# Altium PCB Forno.PcbDoc (part 2 of 2)
Units mm, origin at the board's own origin, x right, y up, seen from the top; angles counter-clockwise.
Board outline 100 x 99.75 mm, 2 copper layers (Top Layer, Bottom Layer); 291 components, 157 nets, 831 pads, 425 vias.
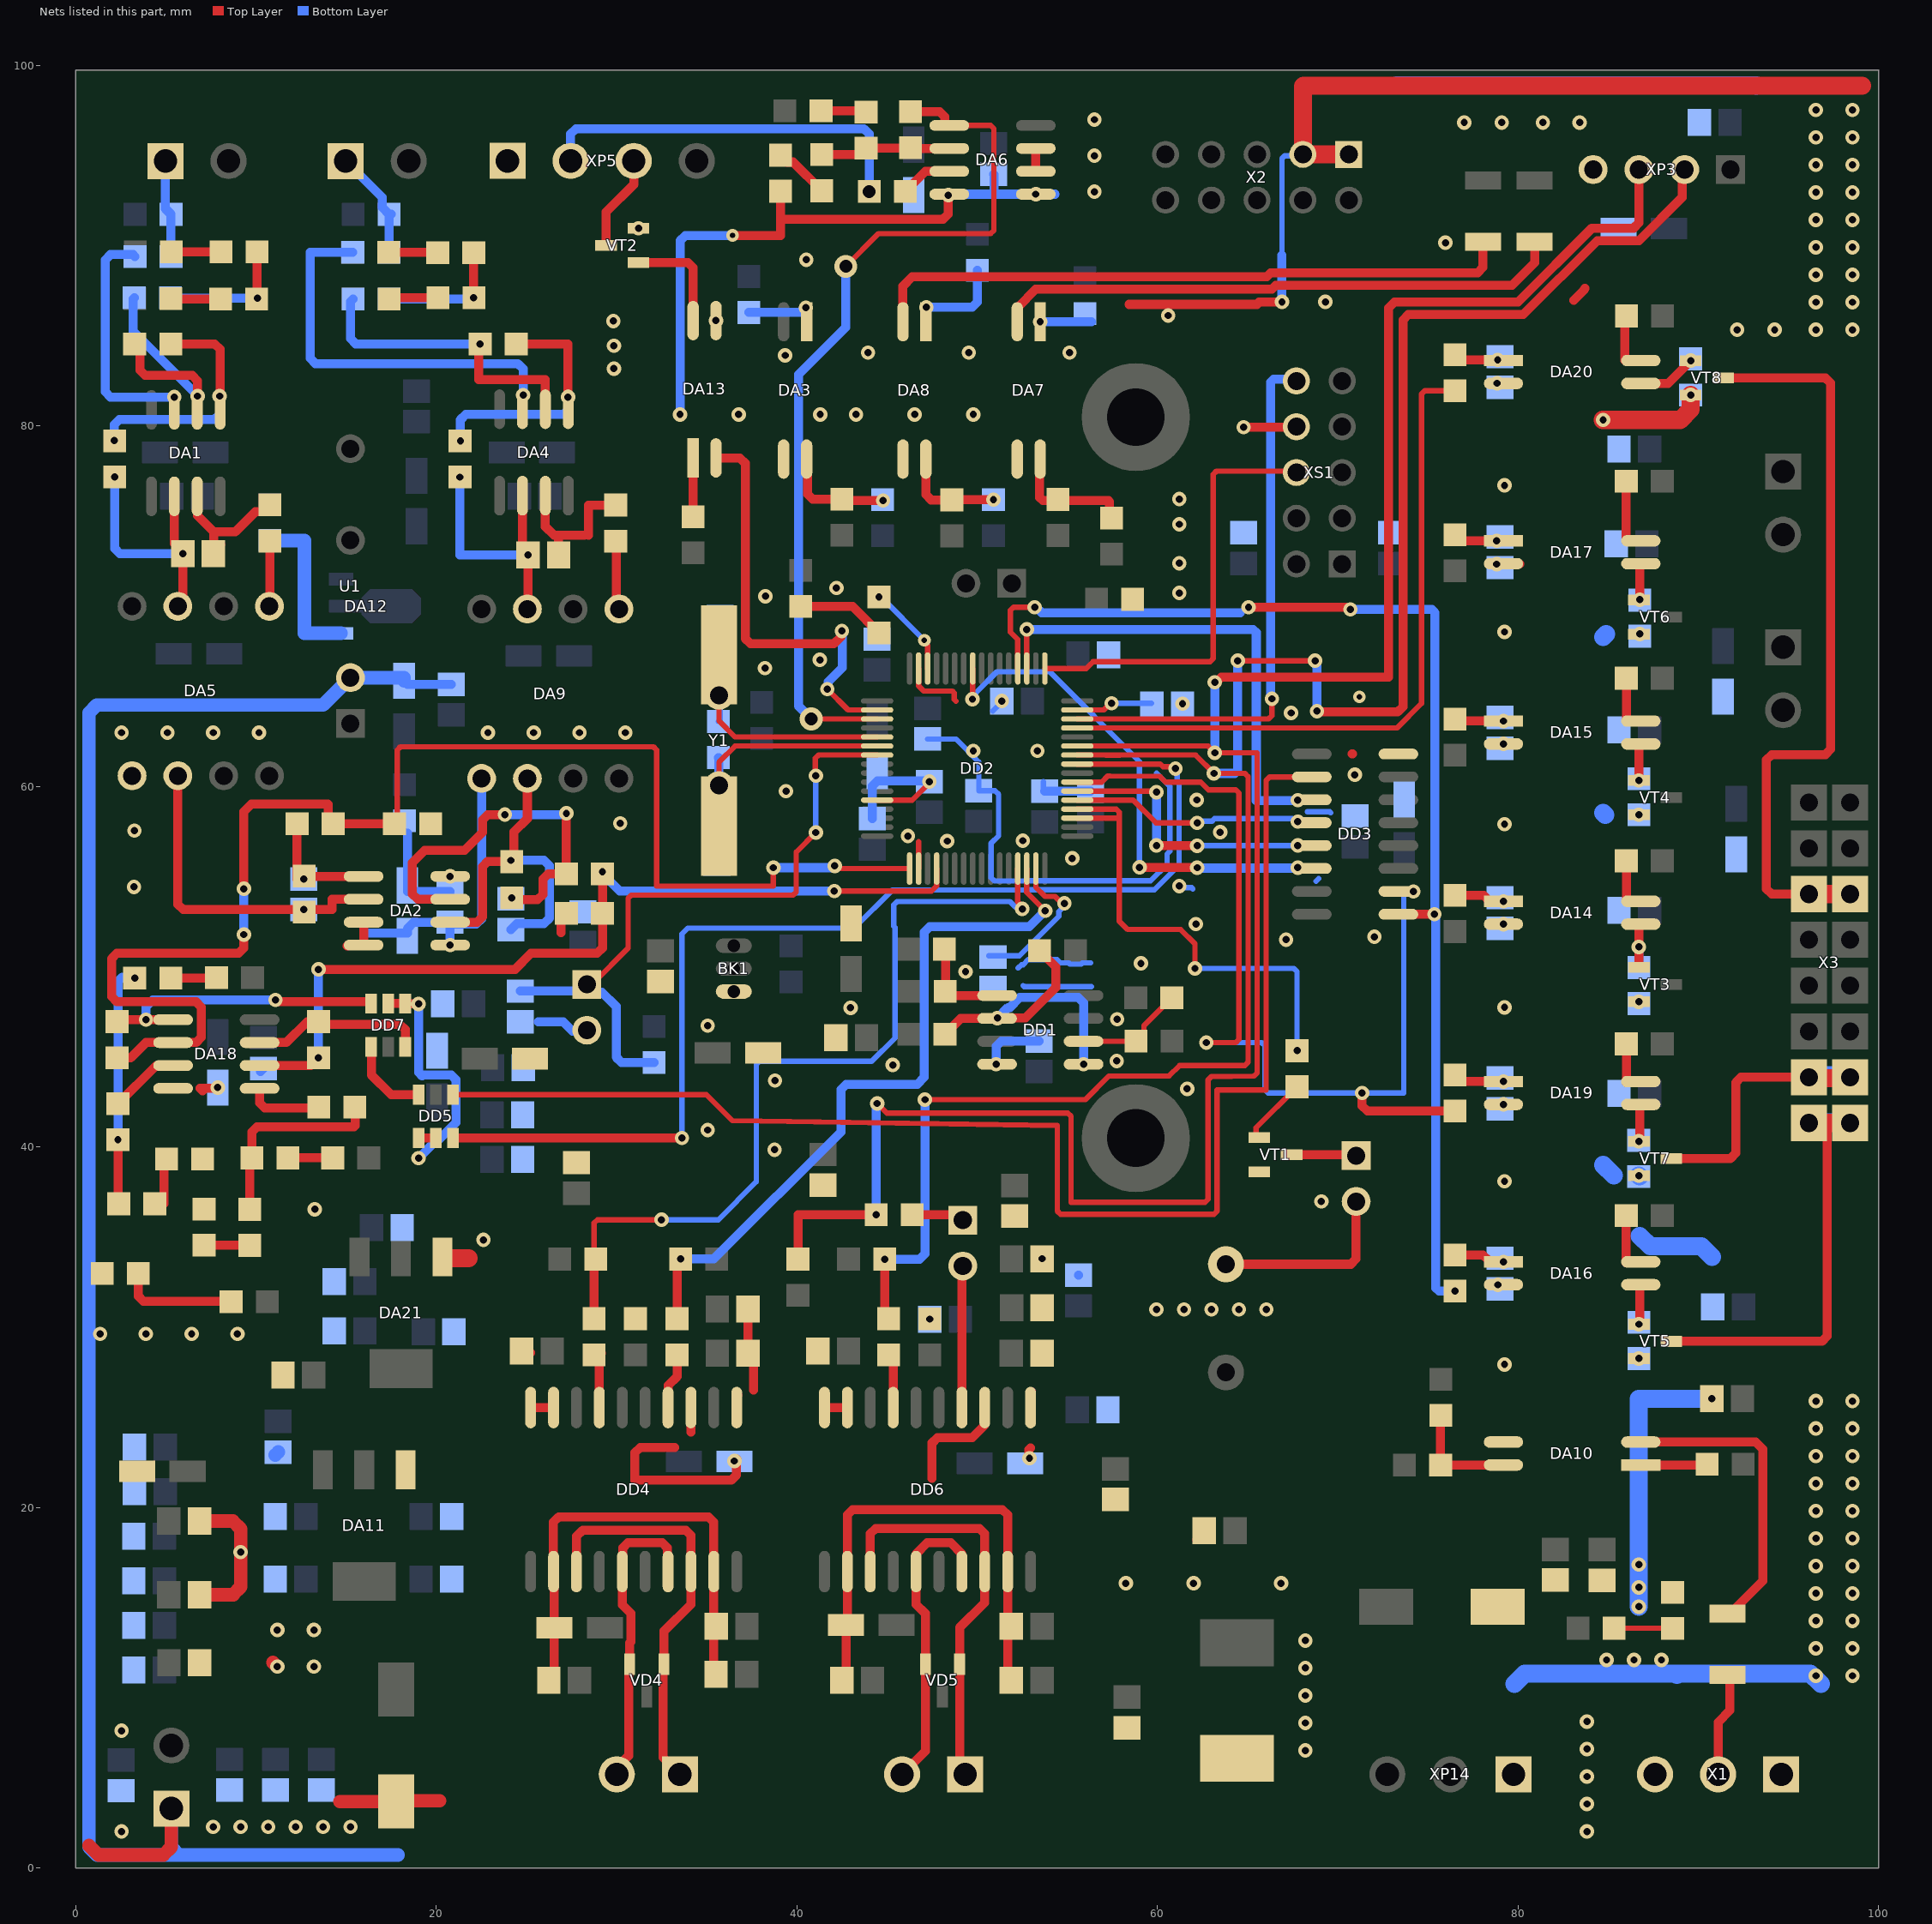
[diagram p2: the nets of this part, all layers, seen from the top]

## Via types
v1: diameter 0.8, hole 0.4, Top Layer to Bottom Layer, tented both sides, 419 vias
v2: diameter 1.27, hole 0.711, Top Layer to Bottom Layer, tented both sides, 3 vias
v3: diameter 0.7, hole 0.3, Top Layer to Bottom Layer, tented both sides, 3 vias

## Nets (pads, with @x,y where several pads share a name; then routed paths per layer and width w, separated by ;. In a path a pad name is that pad's centre, name@x,y a point inside that pad or via, vN(x,y) a via of type N, cw(c..) or ccw(c..) an arc to the next point about the centre after c; other vN are vias at no path point) (continued)
GND: BK1.1 C3.2 C5.2 C6.2 C7.2 C8.2 C11.2 C13.2 C14.2 C15.2 C16.2 C17.2 C18.1 C19.2 C20.2 C21.2 C22.2 C23.2 C24.1 C25.2 C26.1 C27.2 C32.2 C33.2 C36.1 C37.1 C38.1 C39.1 C40.1 C41.1 C42.1 C43.1 C44.1 C45.2 C46.2 C47.2 C48.2 C49.2 C50.2 C51.2 C52.2 C53.2 C54.2 C55.2 C56.2 C57.2 C58.2 C59.2 C60.2 C65.2 C66.2 C67.2 C68.2 C69.2 C70.2 C71.2 C72.2 C77.2 C78.1 C79.1 C80.1 C81.1 C82.1 C83.1 C84.1 C85.1 C86.1 C87.1 C88.1 C89.1 C90.1 C91.1 C92.1 C93.1 C94.1 C95.1 C96.1 C97.2 C98.2 C99.2 C100.2 C101.2 C102.2 C103.2 C104.2 C105.2 C106.2 C119.2 C120.2 C121.2 C122.2 C123.2 DA2.3 DA2.4 DA2.5 DA3.3 DA5.5 DA6.4 DA6.5 DA7.3 DA8.3 DA9.5 DA10.3 DA11.1 DA14.2 DA15.2 DA16.2 DA17.2 DA18.4 DA19.2 DA20.2 DA21.1 DD1.4 DD2.12 DD2.18 DD2.63 DD3.8 DD4.1 DD4.3 DD4.9 DD4.10 DD5.1 DD5.2 DD6.1 DD6.3 DD6.9 DD6.10 DD7.1 DD7.2 R25.1 R31.1 R48.1 R51.1 R68.2 R87.1 R91.2 R96.2 R98.1 U1.2 VT1.2 XP3.4 XP6.2 XP13.1 XS1.8 | length 294.1
  Top Layer w0.3: DD2.12@44.45,59.25 46.398,59.25 47.346,60.198 v1(47.346,60.274) ; DD2.18@46.75,55.45 46.75,56.936 ; DD2.63@46.75,66.55 46.75,65.581 47.031,65.3 48.618,65.3 48.723,65.195 48.723,64.84 48.819,64.745
  Top Layer w0.5: R98.1@7.029,36.643 R98.1@7.112,36.56 ; 7.029,43.125 6.898,43.256 7.826,43.256 v1(7.874,43.304) ; DA2.4@15.047,51.16 15.074,51.187 15.945,51.187 DA2.4@15.964,51.206 DA2.3@15.964,52.476 ; DD7.2@17.323,47.961 DD7.1@18.273,47.961 18.283,47.951 19.004,47.951 v1(19.014,47.94) ; DD5.1@19.014,40.507 DD5.2@19.964,40.507 ; C58.2@25.134,28.677 C58.2@25.229,28.582 ; DD4.10@25.229,25.55 DD4.9@26.499,25.55 ; 26.918,51.906 26.918,52.668 R51.1@27.211,52.961 ; C33.2@32.436,49.188 C33.2@32.536,49.188 ; 33.223,23.343 31.318,23.343 31.013,23.038 31.013,21.514 36.359,21.514 36.652,21.807 36.652,22.679 v1@36.659,22.686 ; DD4.3@34.107,25.538 DD4.3@34.119,25.55 34.119,24.19 ; BK1.1@36.41,48.63 BK1.1@36.5,48.63 ; v3(36.424,90.576) 39.091,90.576 ; DD4.1@36.659,26.19 DD4.1@36.705,26.236 ; C59.2@37.592,31.496 37.287,31.191 C59.2@37.287,31.013 C65.2@37.287,28.575 37.6,28.262 37.6,26.529 ; 39.091,90.678 39.091,91.465 ; R31.1@39.091,93.031 39.091,91.465 ; C70.2@41.289,28.677 C70.2@41.529,28.436 ; DD6.10@41.529,25.55 DD6.9@42.799,25.55 ; 47.498,21.629 47.498,23.583 47.791,23.876 49.728,23.876 DD6.3@50.391,24.539 ; DA6.4@48.387,92.816 48.387,91.758 48.094,91.465 39.091,91.465 ; DD6.3@50.391,24.645 50.419,24.673 DD6.3@50.419,25.55 ; DD1.4@51.001,44.549 v1(51.047,44.595) DD1.4@51.1,44.595 ; DA7.3@52.197,78.19 DA7.3@52.221,78.166 ; v1(52.898,22.742) 52.898,22.757 52.856,22.799 52.856,23.213 52.959,23.317 ; DD6.1@52.959,25.55 52.959,26.373 DD6.1@53.005,26.419 ; C77.2@53.592,28.575 C77.2@53.606,28.589 ; C104.2@57.568,20.449 C104.2@57.668,20.449 ; C105.2@62.195,18.22 62.595,18.62 C105.2@62.595,18.72 ; v1(64.78,79.934) 67.624,79.934 XS1.8@67.73,80.04 ; 70.801,61.824 70.82,61.805 ; v1(78.816,72.339) DA17.2@80.086,72.339 ; DA10.3@79.19,23.635 DA10.3@79.202,23.647 ; 83.083,86.97 83.668,87.554 83.668,87.58 83.718,87.63
  Top Layer w0.75: 0.725,1.252 1.252,0.725 4.861,0.725 5.3,1.164 XP13.1@5.3,3.3 ; C91.1@6.861,15.164 8.705,15.164 ; C90.1@6.861,19.253 8.705,19.253 9.144,18.814 v1(9.144,17.526) 9.144,15.603 8.705,15.164 ; 8.738,15.164 8.705,15.164 ; v1@10.934,11.405 11.162,11.176 v1(11.176,11.176) ; 14.656,3.683 C101.2@17.756,3.683 ; U1.2@15.215,66.04 U1.2@15.234,66.04 ; C101.2@17.629,3.556 C101.2@17.756,3.683 ; 20.168,3.734 17.807,3.734 C101.2@17.78,3.707 C101.2@17.756,3.683
  Top Layer w1: DA21.1@20.334,33.91 20.334,33.883 20.384,33.833 21.793,33.833 ; C102.2@58.303,7.786 58.356,7.786 C102.2@58.506,7.636 ; C106.2@64.135,5.817 C106.2@64.414,6.096
  Bottom Layer w0.3: v1(19.014,47.94) v1@19.03,47.955 ; C19.2@47.244,62.638 48.817,62.638 50.089,61.366 C21.2@50.089,59.766 50.988,59.766 51.189,59.565 51.189,57.271 50.775,56.857 50.775,54.94 50.95,54.764 52.716,54.764 52.72,54.768 59.623,54.768 60.536,55.681 60.536,56.263 60.694,56.421 60.694,60.001 59.947,60.747 ; C20.2@50.861,64.189 51.361,64.689 v1(51.361,64.745) ; 52.273,49.936 52.455,50.118 52.546,50.118 52.823,50.395 54.433,50.395 54.612,50.216 55.083,50.216 55.147,50.152 55.768,50.152 55.832,50.216 56.282,50.216 ; 52.544,48.958 52.607,48.895 56.337,48.895 ; C22.2@53.672,60.274 53.672,59.813 C22.2@53.746,59.739 C22.2@53.748,59.741 ; v1(61.214,54.483) 61.31,54.387 61.894,54.387 61.957,54.324 ; 68.308,58.598 69.558,58.598 69.611,58.545 ; 68.803,54.754 68.938,54.89
  Bottom Layer w0.5: C120.2@10.248,44.196 C120.2@10.414,44.362 ; 16.059,51.867 18.39,51.867 18.39,52.111 18.74,52.461 20.749,52.461 C24.1@20.764,52.476 ; C27.2@18.212,65.862 18.403,65.671 C26.1@20.828,65.671 ; v1(19.014,39.385) 20.028,40.399 20.136,40.399 21.093,41.356 21.093,43.728 20.829,43.992 19.257,43.992 19.207,43.942 19.014,44.134 v1(19.014,47.94) ; v1(20.764,51.206) 20.764,52.375 22.215,52.375 22.508,52.668 DA9.5@22.508,60.452 ; 25.654,46.953 25.656,46.951 27.039,46.951 27.559,46.431 28.575,46.431 XP6.2@28.702,46.558 ; v1(33.515,80.645) 33.515,90.284 33.808,90.576 v3(36.424,90.576) ; C40.1@44.175,58.219 44.175,60.032 44.468,60.325 47.295,60.325 v1(47.346,60.274) ; 47.625,92.862 47.671,92.816 48.395,92.816 v1(48.399,92.812) ; v1@48.399,92.862 50.635,92.862 ; 50.686,92.862 v1(53.251,92.862) 54.305,92.862 ; C8.2@50.902,93.968 50.928,93.941 50.928,93.104 ; v1(51.047,44.595) 51.047,45.591 51.34,45.884 C87.1@53.426,45.884 ; C22.2@53.748,59.741 C42.1@56.296,59.741 ; C57.2@55.61,32.891 C57.2@55.621,32.902
  Bottom Layer w0.75: XP13.1@5.3,3.3 5.3,1.164 5.739,0.725 ; C25.2@11.063,22.913 C25.2@11.227,23.077 ; 17.882,0.725 5.739,0.725 ; C27.2@18.212,65.862 18.212,66.04 U1.2@15.234,66.04 13.718,64.524 1.164,64.524 0.725,64.084 0.725,1.164 1.164,0.725 5.739,0.725
  other v1: 2.54,2.032 7.62,2.286 9.144,2.286 10.668,2.286 12.192,2.286 13.716,2.286 15.24,2.286 68.199,6.528 2.54,7.62 68.199,8.052 68.199,9.576 68.199,11.1 13.208,11.176 68.199,12.624 11.176,13.208 13.208,13.208 58.242,15.799 62.001,15.799 66.853,15.799 36.532,22.584 79.248,27.94 1.346,29.635 3.886,29.635 6.426,29.635 8.966,29.635 47.369,30.455 59.944,30.988 61.468,30.988 62.992,30.988 64.516,30.988 66.04,30.988 78.877,32.36 53.602,33.807 22.606,34.849 13.259,36.551 69.088,36.982 79.248,38.1 38.76,39.853 35.052,40.945 79.19,42.365 61.646,43.231 38.786,43.688 45.314,44.552 57.734,44.78 35.052,46.736 57.76,47.092 42.977,47.727 79.248,47.752 49.352,49.733 59.08,50.19 67.132,51.511 72.034,51.664 62.128,52.375 79.19,52.365 3.226,54.432 55.27,56.018 48.336,56.972 52.527,56.998 46.152,57.252 63.475,57.468 3.251,57.556 79.248,57.912 30.201,57.963 62.179,59.258 39.395,59.741 70.942,60.655 49.784,61.976 53.34,61.976 79.19,62.365 2.54,62.992 5.08,62.992 7.62,62.992 10.16,62.992 22.86,62.992 25.4,62.992 27.94,62.992 30.48,62.992 67.412,64.084 61.388,64.592 38.227,66.573 41.275,67.031 79.248,68.58 38.252,70.561 61.214,70.739 42.189,71.018 61.214,72.39 61.214,74.549 61.214,75.946 79.248,76.708 36.769,80.645 41.293,80.645 43.277,80.645 46.53,80.645 49.784,80.645 78.842,82.372 75.971,90.17 56.5,93 56.5,95 77.013,96.837 79.096,96.837 81.382,96.837 83.414,96.837 56.5,97
  other v3: 71.196,64.973
GND12V: C107.2 C108.2 C109.2 C110.2 C111.2 C112.2 C113.2 C114.2 C115.2 C116.2 C117.2 C118.2 DA13.3 R66.1 R67.1 R74.1 R75.1 R88.1 R89.1 R99.2 VT2.2 VT3.2 VT4.2 VT5.2 VT6.2 VT7.2 VT8.2 X1.1 X1.3 X2.1 X2.3 XP5.1 XP14.1 | length 123.8
  Top Layer w0.5: 58.42,86.75 65.504,86.75 65.642,86.887 v1(66.904,86.888)
  Top Layer w1: X2.1@70.605,95.073 X2.3@68.065,95.073 68.065,98.85 68.097,98.882 99.085,98.869 ; C118.2@78.878,14.5 79.25,14.5 C118.2@79.75,14 ; C109.2@82.009,15.911 C109.2@82.077,15.978 ; C110.2@84.668,15.965 C110.2@84.719,15.914 ; v1@84.693,80.34 v1(84.719,80.34) 88.989,80.34 89.575,80.926 v1(89.575,81.727)
  Bottom Layer w0.3: 66.904,89.481 66.904,94.846 67.049,94.992 67.984,94.992 X2.3@68.065,95.073 ; v1@67.005,86.888 67.005,89.481
  Bottom Layer w0.5: v1(66.904,86.888) 66.904,89.48
  Bottom Layer w1: 73.283,98.896 93.204,98.896 93.218,98.882 ; XP14.1@79.75,5.2 XP14.1@79.791,5.241 ; 79.791,10.209 80.377,10.795 88.732,10.795 ; 84.719,39.006 85.305,38.42 ; 84.719,58.547 84.831,58.435 ; 84.719,68.301 84.886,68.468 ; v1(86.7,14.5) v1(86.7,15.57) v1(86.7,16.84) 86.7,26.035 v1(90.752,26.035) ; v1(86.7,38.42) R88.1@86.751,38.369 ; 86.751,35.079 87.337,34.493 90.166,34.493 90.752,33.907 ; 88.8,10.727 88.732,10.795 ; 96.8,10.209 96.214,10.795 88.732,10.795
  other v1: 83.82,2.032 83.82,3.556 83.82,5.08 83.82,6.604 83.82,8.128 96.52,10.668 98.552,10.668 84.908,11.549 86.432,11.549 87.956,11.549 96.52,12.192 98.552,12.192 96.52,13.716 98.552,13.716 96.52,15.24 98.552,15.24 96.52,16.764 98.552,16.764 96.52,18.288 98.552,18.288 96.52,19.812 98.552,19.812 96.52,21.336 98.552,21.336 96.52,22.86 98.552,22.86 96.52,24.384 98.552,24.384 96.52,25.908 98.552,25.908 86.7,28.27 86.7,48.062 86.7,58.435 86.755,68.468 29.845,83.185 39.345,83.922 43.942,84.074 49.53,84.074 55.118,84.074 29.845,84.455 92.151,85.344 94.234,85.344 96.52,85.344 98.552,85.344 29.82,85.827 35.509,85.852 60.589,86.131 96.52,86.868 98.552,86.868 69.311,86.888 96.52,88.392 98.552,88.392 40.523,89.23 96.52,89.916 98.552,89.916 31.213,90.968 96.52,91.44 98.552,91.44 96.52,92.964 98.552,92.964 96.52,94.488 98.552,94.488 96.52,96.012 98.552,96.012 96.52,97.536 98.552,97.536
Gr_rl: VT5.3 X3.1 X3.2 | length 25
  Top Layer w0.5: VT5.3@88.5,29.22 96.862,29.22 97.155,29.513 97.155,41.148
  Top Layer w1: X3.1@96.132,41.336 X3.2@98.418,41.336
  Bottom Layer w1: X3.1@96.157,41.361 X3.2@98.443,41.361
Grill: DD2.52 DD3.1 R71.1 | length 67.6
  Top Layer w0.3: DD2.52@52.25,66.55 52.25,68.158 51.841,68.567 51.841,69.776 52.017,69.952 v1(53.188,69.952) ; v1@70.436,69.952 70.563,69.825 v1(70.698,69.825)
  Top Layer w0.5: v1(65.049,69.952) v1@70.436,69.952 ; DD3.1@73.736,52.915 v1(75.358,52.915)
  Bottom Layer w0.3: 64.596,69.633 64.914,69.952 v1(65.049,69.952)
  Bottom Layer w0.5: v1(53.188,69.952) 53.269,69.952 53.587,69.633 64.596,69.633 ; v1(70.698,69.825) 75.217,69.825 75.393,69.649 75.393,52.95 v1(75.358,52.915) ; v1@75.438,52.915 75.438,32.186 75.614,32.011 v1(76.5,32.011)
Idig: DA6.1 DD2.3 R12.2 | length 50.1
  Top Layer w0.3: v2@40.796,63.75 DD2.3@44.45,63.75 ; v2(42.71,88.862) 44.526,90.678 50.751,90.678 50.927,90.854 50.927,96.497 50.751,96.672 DA6.1@48.451,96.672
  Top Layer w0.5: R12.2@46.304,97.444 47.916,97.444 48.209,97.151 48.209,96.719 48.255,96.672 DA6.1@48.451,96.672
  Bottom Layer w0.5: v2(40.792,63.754) 40.081,64.465 40.081,82.855 42.71,85.484 v2(42.71,88.862)
Iout: R23.1 XP5.2 | length 21.9
  Top Layer w0.5: R23.1@43.706,92.712 v2(44.009,93.015) R23.1@44.018,93.005
  Bottom Layer w0.5: XP5.2@27.446,94.762 27.446,96.202 27.739,96.495 43.716,96.495 44.009,96.202 v2(44.009,93.015)
latch: DD2.37 DD3.12 | length 12.9
  Top Layer w0.3: DD2.37@55.55,59.25 58.655,59.25 59.917,57.988 v1(62.2,57.988) v1@62.23,57.988
  Bottom Layer w0.3: v1@62.23,57.988 62.326,58.084 63.03,58.084 63.164,58.218 67.478,58.218 67.644,58.052 v1@67.793,58.052
  other v1: 67.779,58.052
Led: DD2.62 HL1.2 | length 5.2
  Top Layer w0.3: v3(47.066,68.123) 47.066,68.028 47.25,67.844 DD2.62@47.25,66.55
  Bottom Layer w0.3: v1(44.552,70.52) 44.669,70.52 v3(47.066,68.123)
Light: DD2.45 R83.1 | length 38.8
  Top Layer w0.3: DD2.45@55.55,63.25 73.29,63.25 74.651,64.611 74.651,81.781 74.826,81.956 R83.1@76.5,81.956
Lt_rl: VT8.3 X3.11 X3.12 | length 42.2
  Top Layer w0.5: VT8.3@91.313,82.627 91.363,82.677 VT8.3@91.375,82.677 97.04,82.677 97.333,82.384 97.333,62.066 97.04,61.773 94.07,61.773 93.777,61.48 93.777,54.329 94.07,54.036 X3.11@96.132,54.036
  Top Layer w1: X3.11@96.132,54.036 X3.12@98.418,54.036
Mode: DA18.6 DD2.20 R45.2 R51.2 R93.1 | length 48.9
  Top Layer w0.3: v1@42.072,54.2 47.457,54.2 47.75,54.493 DD2.20@47.75,55.45
  Top Layer w0.5: DA18.6@10.198,44.526 13.03,44.526 v1(13.462,44.958) ; v1@13.335,49.86 v1(13.462,49.86) 24.359,49.86 25.248,50.75 28.918,50.75 29.211,51.043 R51.2@29.211,52.961 R45.2@29.211,55.161
  Bottom Layer w0.5: v1@13.335,49.86 13.335,49.779 13.462,49.652 v1(13.462,44.958) ; v1@29.211,55.161 30.169,54.204 v1(42.072,54.204)
  other v1: 29.21,55.27
modeIn: R36.1 R49.1 XP2.1 | length 6.2
  Bottom Layer w0.5: XP2.1@14.966,94.7 16.989,92.677 16.989,92.13 R36.1@17.374,91.745 ; R49.1@17.367,89.637 17.374,89.643 R36.1@17.374,91.745 ; R36.1@17.506,91.745 R36.1@17.374,91.745
MOSI: DD2.57 DD3.14 | length 28.3
  Top Layer w0.3: v1(49.733,64.846) 49.75,64.863 DD2.57@49.75,66.55 ; v1(59.004,55.518) v1@59.014,55.508 ; v1@62.191,55.508 v1(62.2,55.499)
  Top Layer w0.5: v1@59.014,55.508 v1@62.191,55.508
  Bottom Layer w0.3: v1(49.733,64.846) 49.733,64.982 49.951,65.2 49.951,65.23 51.091,66.37 54.026,66.37 59.004,61.392 v1(59.004,55.518) ; v1@62.332,55.499 v1@62.384,55.551
  Bottom Layer w0.5: v1@62.384,55.475 v1@67.779,55.475
  other v1: 67.779,55.504
MR: DD2.41 DD5.3 | length 64.2
  Top Layer w0.3: DD2.41@55.55,61.25 56.94,61.25 56.943,61.247 58.119,61.247 58.122,61.25 60.152,61.25 60.306,61.096 60.9,61.096 v1(60.996,61)
  Top Layer w0.5: DD5.3@20.914,40.507 v1(33.623,40.507)
  Bottom Layer w0.3: v1(33.623,40.507) 33.623,51.818 33.955,52.15 43.184,52.15 45.298,54.264 52.923,54.264 52.927,54.268 59.831,54.268 61.194,55.631 61.194,60.208 61.092,60.31 61.092,60.904 v1(60.996,61)
MR595: DD3.10 DD5.4 | length 76.6
  Top Layer w0.3: DD5.4@20.914,42.907 34.983,42.907 36.34,41.55 36.426,41.464 54.442,41.188 54.442,36.447 54.618,36.271 63.131,36.271 63.307,36.447 63.307,43.165 66.024,43.165 66.024,60.34 66.219,60.535 DD3.10@68.072,60.535
NetC2_1: C2.1 DA2.2 DA5.6 R10.1 | length 18.1
  Top Layer w0.5: DA5.6@5.66,60.6 5.66,53.469 5.953,53.176 v1(12.649,53.176) 14.224,53.176 14.224,53.746 DA2.2@15.964,53.746
NetC2_2: C2.2 DA2.1 R10.2 R21.1 | length 6.9
  Top Layer w0.5: R21.1@12.275,57.937 12.275,54.876 v1(12.649,54.876) 12.649,55.016 DA2.1@15.964,55.016
NetC4_1: C4.1 DA1.6 DA5.3 R16.2 | length 14.3
  Top Layer w0.5: DA1.6@5.465,76.1 5.465,73.49 5.932,73.023 v1(5.932,72.923) 5.932,70.567 5.66,70.296 DA5.3@5.66,69.998
  Bottom Layer w0.5: v1(2.159,77.181) 2.159,73.216 2.452,72.923 v1(5.932,72.923)
NetC4_2: C4.2 DA1.7 R17.1 | length 8.3
  Top Layer w0.5: DA1.7@6.735,76.1 6.754,76.081 6.754,75.034 7.645,74.143 ; C4.2@8.032,73.423 C4.2@7.645,73.037 ; 9.04,74.332 8.851,74.143 ; R17.1@10.77,75.625 10.385,75.24 9.949,75.24 8.851,74.143 ; C4.2@7.632,72.923 7.645,72.923 C4.2@7.645,72.937 ; C4.2@7.632,72.923 7.632,73.023 C4.2@7.645,73.037 ; C4.2@7.632,72.923 C4.2@7.645,72.937 ; C4.2@7.645,72.937 C4.2@7.645,73.037 ; C4.2@7.645,73.037 7.645,74.143 ; 7.645,74.143 8.851,74.143
NetC10_1: C10.1 DA2.6 DA9.6 R38.1 | length 19.1
  Top Layer w0.5: DA2.6@20.764,52.527 DA2.6@20.764,52.476 22.262,52.476 22.555,52.769 22.555,55.562 22.848,55.855 24.155,55.855 R38.1@24.181,55.829 24.308,55.956 24.308,57.48 25.048,58.22 DA9.6@25.048,60.452
  Bottom Layer w0.5: C10.1@24.13,52.07 24.46,52.4 25.971,52.4 26.264,52.693 26.264,55.613 25.971,55.905 v1(24.13,55.905)
NetC10_2: C10.2 DA2.7 R38.2 R45.1 | length 21.6
  Top Layer w0.5: DA2.7@20.764,53.758 DA2.7@20.764,53.746 18.962,53.746 18.669,54.039 18.669,55.778 19.355,56.464 21.565,56.464 22.555,57.455 22.555,58.153 22.848,58.445 v1(23.8,58.445) ; v1(24.181,53.829) 24.289,53.721 25.615,53.721 25.908,54.014 25.908,54.868 26.201,55.161 R45.1@27.211,55.161 v1(27.211,58.514)
  Bottom Layer w0.5: v1(23.8,58.445) 27.062,58.445 27.13,58.514 v1(27.211,58.514)
NetC12_1: C12.1 DA4.6 DA9.3 R42.2 | length 14.7
  Top Layer w0.5: DA4.6@24.775,76.137 24.775,72.847 v1(25.083,72.847) 25.083,69.85 DA9.3@25.048,69.85
  Bottom Layer w0.5: 21.311,72.847 v1(21.311,77.165) v1@21.438,77.165 ; 21.438,72.847 v1(25.083,72.847)
NetC12_2: C12.2 DA4.7 R43.1 | length 8.3
  Top Layer w0.5: DA4.7@26.045,76.137 26.045,74.422 26.528,73.939 26.783,73.939 ; C12.2@26.783,72.847 26.783,73.939 ; 28.194,73.939 26.783,73.939 ; 28.448,73.939 28.448,75.616 R43.1@29.947,75.616
NetC15_1: C15.1 DD2.31 | length 8.6
  Top Layer w0.3: DD2.31@53.25,55.45 53.25,54.421 53.765,53.905 54.313,53.905 54.701,53.518 v1(54.836,53.518)
  Bottom Layer w0.3: C15.1@50.637,50.618 52.339,50.618 54.522,52.801 54.522,53.069 54.836,53.383 v1(54.836,53.518)
NetC16_1: C16.1 DD2.47 | length 4.3
  Top Layer w0.3: DD2.47@55.55,64.25 57.029,64.25 57.397,64.618 v1(57.455,64.618)
  Bottom Layer w0.3: v1(57.455,64.618) C16.1@59.663,64.618
NetC23_1: C23.1 C24.2 DA2.8 L2.2 | length 5.7
  Top Layer w0.5: DA2.8@20.764,54.966 v1(20.764,55.016)
  Bottom Layer w0.5: 18.39,57.404 18.39,54.534 C23.1@18.39,54.511 18.39,54.176 C24.2@20.764,54.176
NetC52_1: C52.1 DA14.1 R62.2 | length 2.8
  Top Layer w0.5: R62.2@76.5,53.959 78.091,53.959 78.415,53.635 v1(79.19,53.635)
NetC53_1: C53.1 DA15.1 R63.2 | length 2.7
  Top Layer w0.5: R63.2@76.5,63.738 76.603,63.635 v1(79.19,63.635)
NetC61_1: C61.1 C62.1 C63.1 C64.1 DD4.12 DD4.19 | length 26.6
  Top Layer w0.5: C63.1@26.24,10.414 26.543,10.717 C61.1@26.543,13.335 26.543,15.485 26.518,15.51 26.518,16.431 DD4.12@26.499,16.45 26.492,16.457 26.492,19.189 26.785,19.482 35.096,19.482 35.389,19.189 DD4.19@35.389,16.45 35.389,10.864 C62.1@35.509,10.744
NetC66_1: C66.1 DA16.1 R71.2 | length 2.9
  Top Layer w0.5: R71.2@76.5,34.011 78.055,34.011 78.348,33.718 78.348,33.702 78.415,33.635 v1(79.19,33.635)
NetC67_1: C67.1 DA17.1 R72.2 | length 2.5
  Top Layer w0.5: R72.2@76.5,73.965 76.83,73.635 v1(78.816,73.635)
NetC68_1: C68.1 DA19.1 R81.2 | length 2.8
  Top Layer w0.5: R81.2@76.5,44.002 76.867,43.635 v1(79.19,43.635)
NetC69_1: C69.1 DA20.1 R83.2 | length 2.5
  Top Layer w0.5: R83.2@76.505,83.956 76.794,83.668 v1(78.867,83.668)
NetC73_1: C73.1 C74.1 C75.1 C76.1 DD6.12 DD6.19 | length 27.7
  Top Layer w0.5: C74.1@42.494,10.414 42.72,10.64 C73.1@42.72,13.485 42.799,13.564 42.799,19.595 43.092,19.888 51.396,19.888 51.689,19.595 DD6.19@51.689,16.45 51.689,10.619 C76.1@51.894,10.414
NetDA1_1: DA1.1 R15.2 R16.1 | length 13.9
  Top Layer w0.5: R15.2@5.267,84.557 7.708,84.557 8.001,84.264 8.001,80.904 DA1.1@8.005,80.9
  Bottom Layer w0.5: v1(2.134,79.197) 2.134,80.073 2.426,80.366 7.683,80.366 7.976,80.658 v1@7.976,81.322 ; v1(7.976,81.661) v1@8.033,81.604
NetDA1_2: DA1.2 R15.1 R22.2 | length 12.8
  Top Layer w0.5: R15.1@3.267,84.557 3.556,84.268 3.556,83.097 3.849,82.804 6.464,82.804 6.756,82.511 6.756,81.792 6.754,81.79 6.754,81.663 v1(6.756,81.661)
  Bottom Layer w0.5: R22.2@3.242,87.122 3.175,87.055 3.175,85.268 v1@6.756,81.686
NetDA1_3: DA1.3 R24.2 | length 13.1
  Bottom Layer w0.5: R24.2@3.283,89.408 3.182,89.51 1.918,89.51 1.626,89.217 1.626,81.903 1.918,81.61 v1(5.461,81.61)